# Altium PCB TelemetryBoard.PcbDoc
Units mil, origin at the board's own origin, x right, y up, seen from the top; angles counter-clockwise.
Board outline 2500 x 2500 mil, 2 copper layers (Top Layer, Bottom Layer); 11 components, 9 nets, 56 pads, 567 vias.
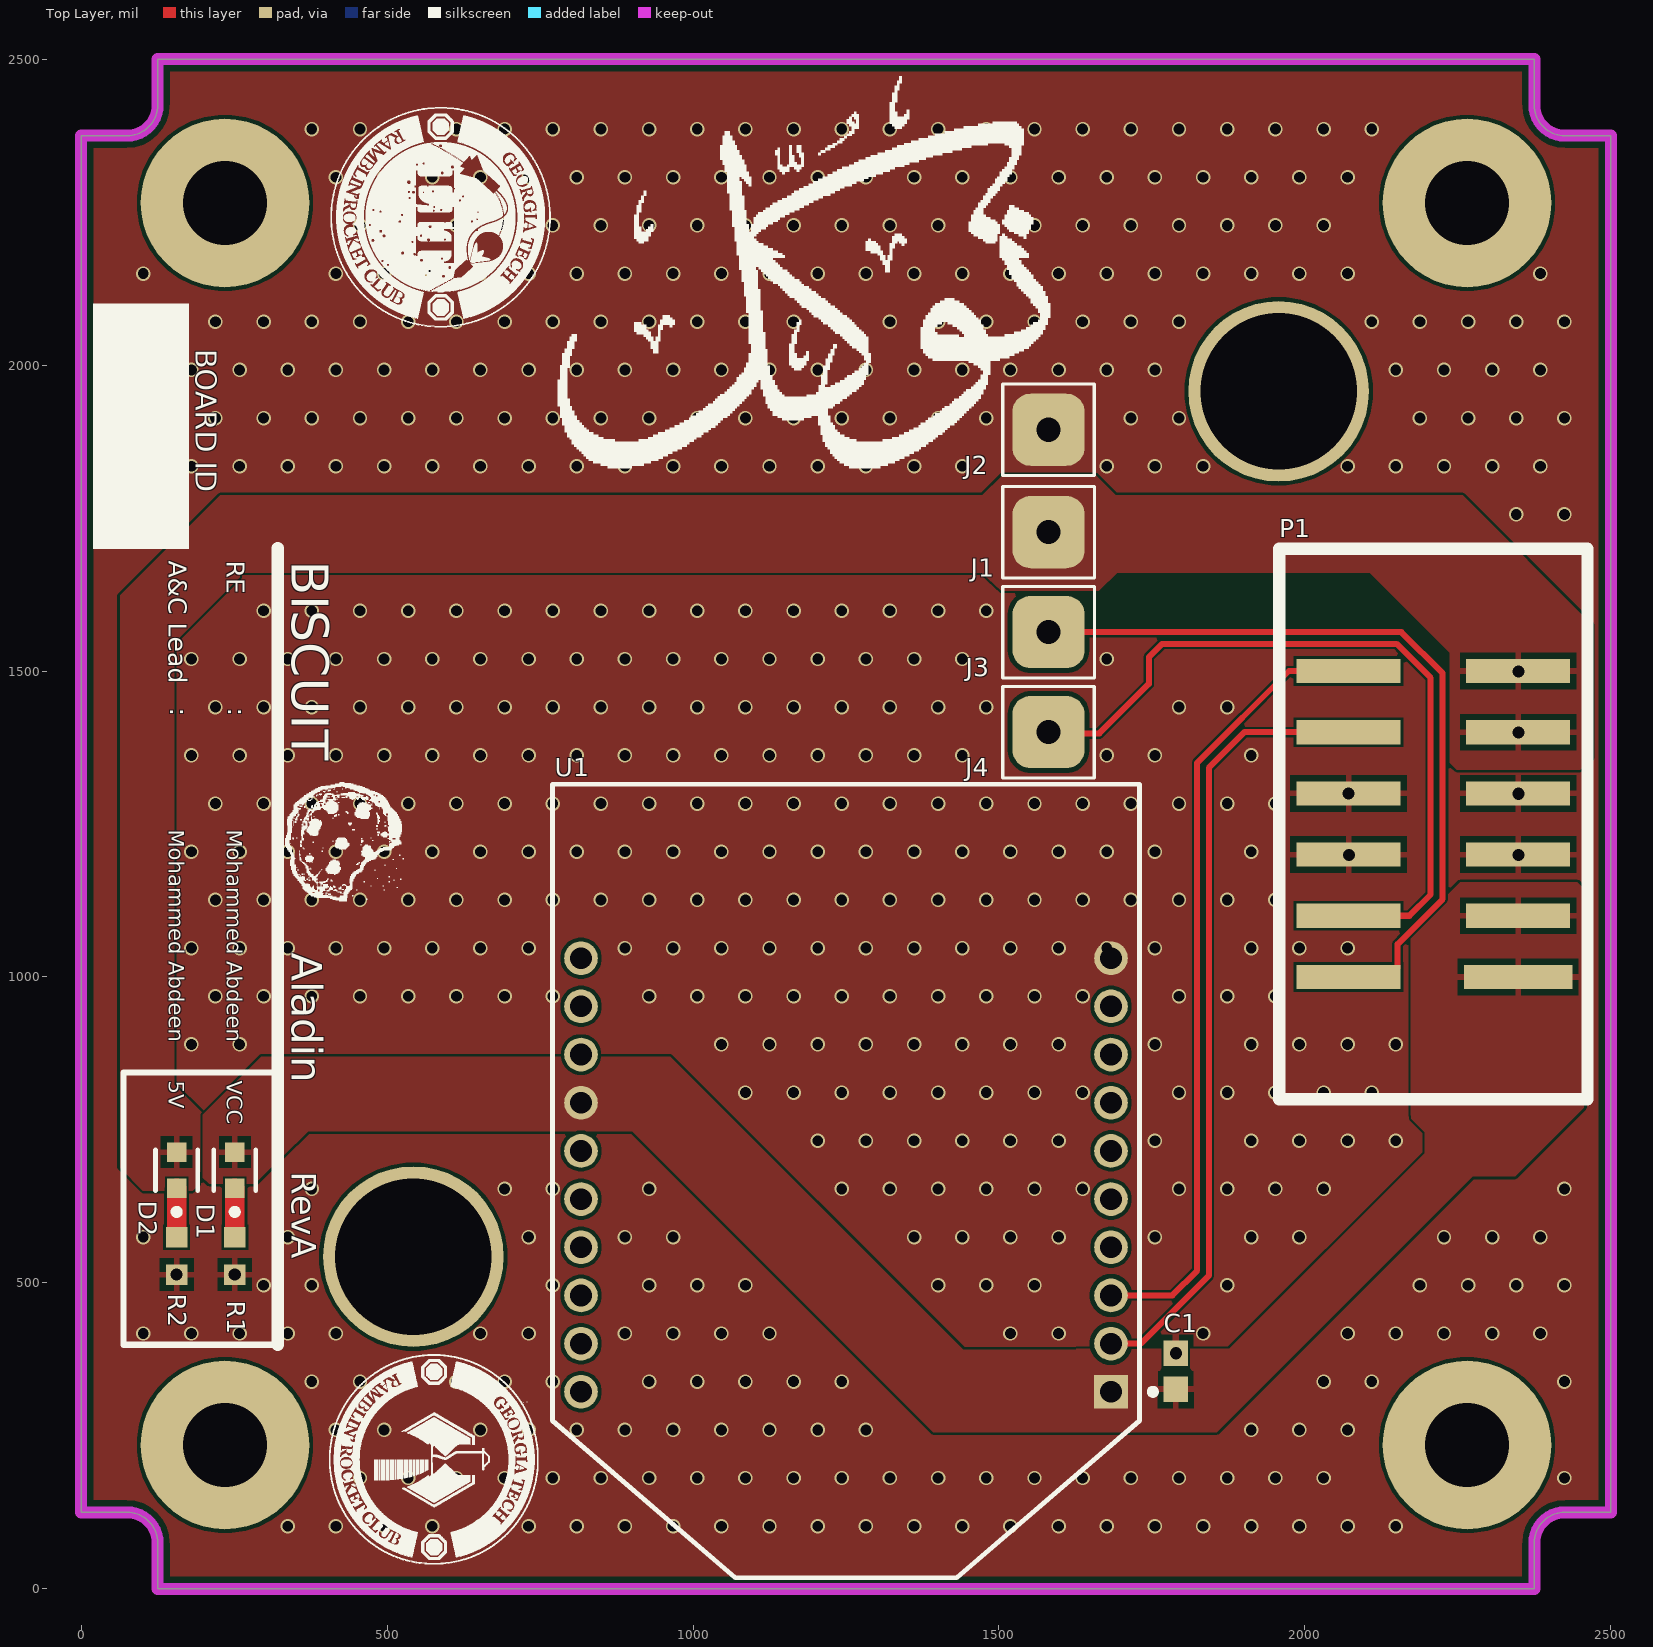
[diagram p0: Top Layer view]
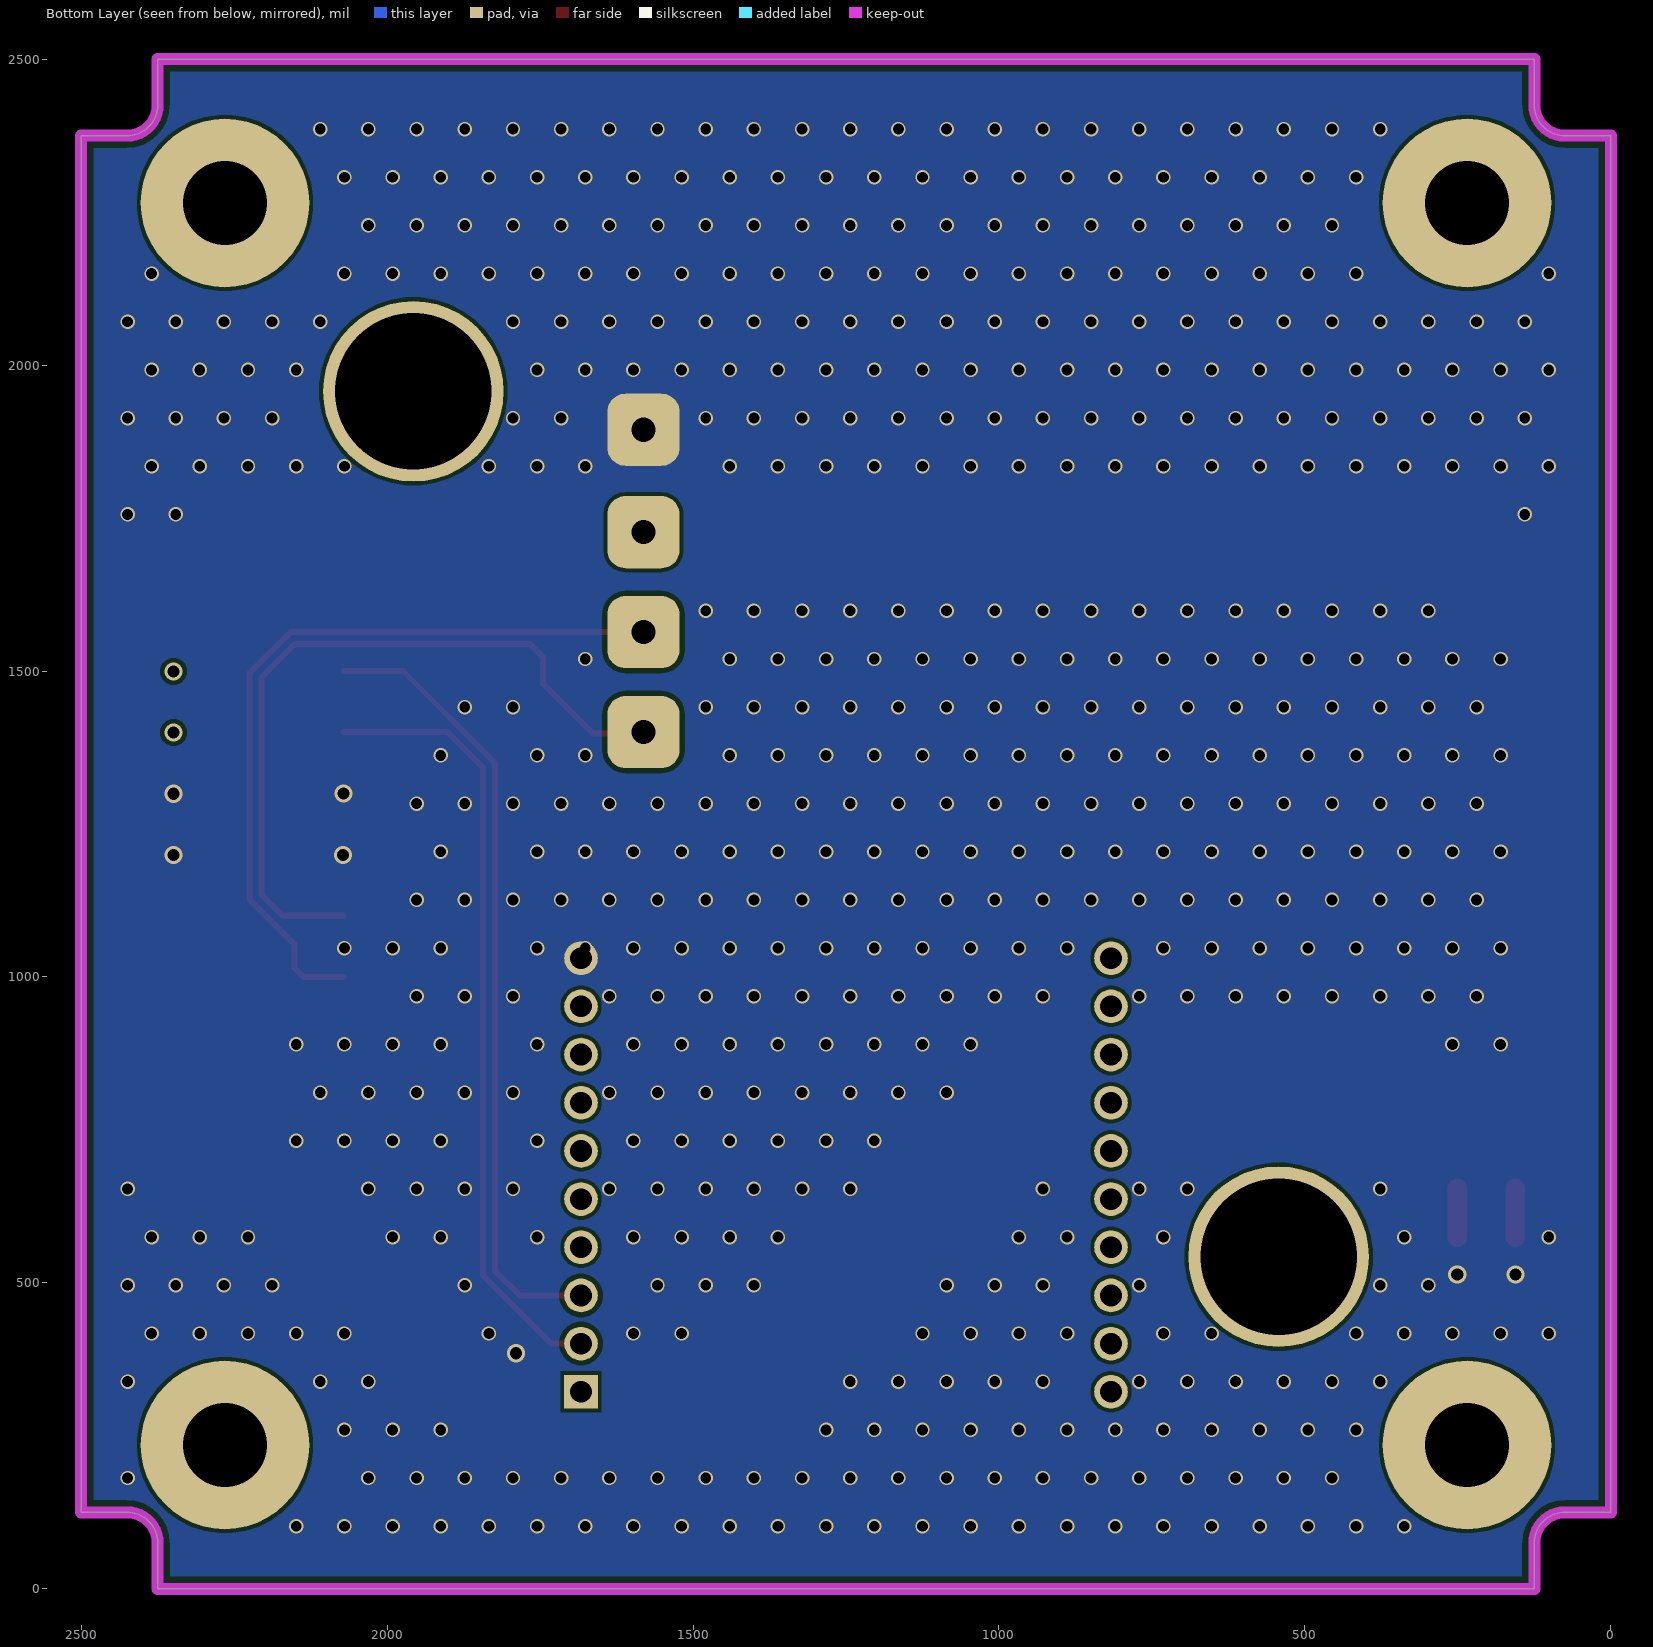
[diagram p1: Bottom Layer view, seen from below]

## Layer stack, top to bottom
Top Solder: solder mask 0.4, Solder Resist, Dk 3.5
Top Layer: signal copper 1.4
Dielectric 1: dielectric 12.6, FR-4, Dk 4.8
Bottom Layer: signal copper 1.4
Bottom Solder: solder mask 0.4, Solder Resist, Dk 3.5

## Board outline
125,0 125,75 ccw(c75,75) 75,125 0,125 0,2375 75,2375 ccw(c75,2425) 125,2425 125,2500 2375,2500 2375,2425 ccw(c2425,2425) 2425,2375 2500,2375 2500,125 2425,125 ccw(c2425,75) 2375,75 2375,0

## Design rules (kind name [scope] priority, off if disabled: settings)
Clearance Clearance_1 [InNetClass('Power') And OnMid vs OnMid] p1: gap=3.94 ignorepadtopadclearanceinfootprint=FALSE except(3.54: Arc-Arc Arc-Track Arc-Text Track-Track Track-Text Text-Text; 5.91: Arc-Hole Track-Hole SMDPad-SMDPad SMDPad-THPad THPad-THPad THPad-Via THPad-Fill THPad-Poly THPad-Region Via-Via Via-Fill Via-Poly Via-Region Text-Hole; 6: SMDPad-Hole; 7.87: THPad-Hole; 10: Hole-Hole; 11.02: Via-Hole; 11.81: Fill-Hole Poly-Hole Region-Hole) sourcerule=46 cellrowname=Power cellrowtype=2 cellcolname=All cellcoltype=0 innerlayers=TRUE
Clearance Clearance_2 [InNetClass('Power') And (ExistsOnLayer('Top Layer') Or ExistsOnLayer('Bottom Layer')) vs (ExistsOnLayer('Top Layer') Or ExistsOnLayer('Bottom Layer'))] p2: gap=3.94 ignorepadtopadclearanceinfootprint=FALSE except(3.54: Arc-Arc Arc-Track Arc-Text Track-Track Track-Text Text-Text; 5.91: Arc-Hole Track-Hole SMDPad-SMDPad SMDPad-THPad THPad-THPad THPad-Via THPad-Fill THPad-Poly THPad-Region Via-Via Via-Fill Via-Poly Via-Region Text-Hole; 6: SMDPad-Hole; 7.87: THPad-Hole; 10: Hole-Hole; 11.02: Via-Hole; 11.81: Fill-Hole Poly-Hole Region-Hole) sourcerule=46 cellrowname=Power cellrowtype=2 cellcolname=All cellcoltype=0 outerlayers=TRUE
Clearance Clearance_3 [InNetClass('Power')] p3: gap=10 ignorepadtopadclearanceinfootprint=FALSE sourcerule=46 cellrowname=Power cellrowtype=2 cellcolname=All cellcoltype=0
Clearance Clearance_1 [InNetClass('UART') And OnMid vs OnMid] p4: gap=7.87 ignorepadtopadclearanceinfootprint=FALSE except(3.94: Arc-Fill Arc-Poly Arc-Region Track-Fill Track-Poly Track-Region Fill-Text Poly-Text Region-Text; 5: SMDPad-SMDPad SMDPad-Fill SMDPad-Poly SMDPad-Region THPad-THPad Fill-Fill Fill-Poly Fill-Region Poly-Poly Poly-Region Region-Region; 6: SMDPad-Hole; 6.3: SMDPad-THPad; 9.06: Arc-Arc Arc-Track Arc-Text Track-Track Track-Text Text-Text; 10: Arc-Via Track-Via SMDPad-Via THPad-Via Via-Via Via-Text Hole-Hole; 11.02: Arc-Hole Track-Hole THPad-Hole Via-Hole Text-Hole; 11.81: Fill-Hole Poly-Hole Region-Hole) sourcerule=46 cellrowname=UART cellrowtype=2 cellcolname=All cellcoltype=0 innerlayers=TRUE
Clearance Clearance_2 [InNetClass('UART') And (ExistsOnLayer('Top Layer') Or ExistsOnLayer('Bottom Layer')) vs (ExistsOnLayer('Top Layer') Or ExistsOnLayer('Bottom Layer'))] p5: gap=7.87 ignorepadtopadclearanceinfootprint=FALSE except(3.94: Arc-Fill Arc-Poly Arc-Region Track-Fill Track-Poly Track-Region Fill-Text Poly-Text Region-Text; 5: SMDPad-SMDPad SMDPad-Fill SMDPad-Poly SMDPad-Region THPad-THPad Fill-Fill Fill-Poly Fill-Region Poly-Poly Poly-Region Region-Region; 6: SMDPad-Hole; 6.3: SMDPad-THPad; 9.06: Arc-Arc Arc-Track Arc-Text Track-Track Track-Text Text-Text; 10: Arc-Via Track-Via SMDPad-Via THPad-Via Via-Via Via-Text Hole-Hole; 11.02: Arc-Hole Track-Hole THPad-Hole Via-Hole Text-Hole; 11.81: Fill-Hole Poly-Hole Region-Hole) sourcerule=46 cellrowname=UART cellrowtype=2 cellcolname=All cellcoltype=0 outerlayers=TRUE
Clearance Clearance_3 [InNetClass('UART')] p6: gap=10 ignorepadtopadclearanceinfootprint=FALSE sourcerule=46 cellrowname=UART cellrowtype=2 cellcolname=All cellcoltype=0
Clearance Clearance_1 [OnMid vs OnMid] p7: gap=3.94 ignorepadtopadclearanceinfootprint=FALSE except(3.54: Arc-Arc Arc-Track Arc-Text Track-Track Track-Text Text-Text; 5.91: SMDPad-SMDPad SMDPad-THPad THPad-THPad THPad-Via THPad-Fill THPad-Poly THPad-Region Via-Via Via-Fill Via-Poly Via-Region; 6: SMDPad-Hole; 10: Hole-Hole; 11.02: Arc-Hole Track-Hole THPad-Hole Via-Hole Text-Hole; 11.81: Fill-Hole Poly-Hole Region-Hole) sourcerule=46 cellrowname=All cellrowtype=0 cellcolname=All cellcoltype=0 innerlayers=TRUE
Clearance Clearance_2 [(ExistsOnLayer('Top Layer') Or ExistsOnLayer('Bottom Layer')) vs (ExistsOnLayer('Top Layer') Or ExistsOnLayer('Bottom Layer'))] p8: gap=3.94 ignorepadtopadclearanceinfootprint=FALSE except(3.54: Arc-Arc Arc-Track Arc-Text Track-Track Track-Text Text-Text; 5.91: SMDPad-SMDPad SMDPad-THPad THPad-THPad THPad-Via THPad-Fill THPad-Poly THPad-Region Via-Via Via-Fill Via-Poly Via-Region; 6: SMDPad-Hole; 10: Hole-Hole; 11.02: Arc-Hole Track-Hole THPad-Hole Via-Hole Text-Hole; 11.81: Fill-Hole Poly-Hole Region-Hole) sourcerule=46 cellrowname=All cellrowtype=0 cellcolname=All cellcoltype=0 outerlayers=TRUE
Clearance [All] p9: gap=10 ignorepadtopadclearanceinfootprint=FALSE ismatrix=TRUE miname0=Power mitype0=2 miname1=UART mitype1=2
ComponentClearance [All] p1: gap=3.94 collisioncheckmode=3 verticalgap=10 showdistances=FALSE
HoleSize [All] p1: absolutevalues=TRUE maxlimit=354.33 minlimit=1 maxpercent=80.000 minpercent=20.000
HoleToHoleClearance [All] p1: gap=0 allowstackedmicrovias=TRUE
MinimumSolderMaskSliver [All] p1: minsoldermaskwidth=1.97
PlaneConnect [All] p1: pad.planeconnectstyle=Relief pad.reliefexpansion=20 pad.reliefentries=4 pad.reliefconductorwidth=10 pad.reliefairgap=10 via.planeconnectstyle=Direct via.reliefexpansion=20 via.reliefentries=4 via.reliefconductorwidth=10 via.reliefairgap=10
PolygonConnect PolygonConnectStyle_1 [InNetClass('Power')] p1: thpad.connectstyle=Direct thpad.reliefconductorwidth=10 thpad.reliefentries=4 thpad.polygonreliefangle="90 Angle" thpad.airgapwidth=10 smdpad.connectstyle=Relief smdpad.reliefconductorwidth=10 smdpad.reliefentries=4 smdpad.polygonreliefangle="90 Angle" smdpad.airgapwidth=10 via.connectstyle=Direct via.reliefconductorwidth=10 via.reliefentries=4 via.polygonreliefangle="90 Angle" via.airgapwidth=10
PolygonConnect [All] p2: thpad.connectstyle=Relief thpad.reliefconductorwidth=10 thpad.reliefentries=4 thpad.polygonreliefangle="90 Angle" thpad.airgapwidth=10 smdpad.connectstyle=Relief smdpad.reliefconductorwidth=10 smdpad.reliefentries=4 smdpad.polygonreliefangle="90 Angle" smdpad.airgapwidth=10 via.connectstyle=Direct via.reliefconductorwidth=10 via.reliefentries=4 via.polygonreliefangle="90 Angle" via.airgapwidth=10
RoutingVias RoutingViaStyle_1 [InNetClass('Power')] p1: holewidth=19.68 width=29.53 viastyle="Through Hole" minholewidth=19.68 minwidth=29.53 maxholewidth=19.68 maxwidth=29.53
RoutingVias [All] p2: holewidth=13.78 width=19.68 viastyle="Through Hole" minholewidth=13.78 minwidth=19.68 maxholewidth=13.78 maxwidth=19.68
SilkToSilkClearance [All] p1: silktosilkclearance=0
SilkToSolderMaskClearance [IsPad] p1: minsilkscreentomaskgap=3.94 clearancetoexposedcopper=TRUE
SolderMaskExpansion [All] p1: expansion=4 istentingtop=FALSE
UnRoutedNet [All] p1: checkbadconnections=TRUE
Width MaxMinWidth_1 [InNetClass('Power')] p1: maxlimit=31.5 minlimit=5.91 preferedwidth=9.84 minimp=50.000000 maximp=50.000000 favimp=50.000000
Width MaxMinWidth_2 [InNetClass('UART')] p2: maxlimit=39.37 minlimit=5.91 preferedwidth=9.84 minimp=50.000000 maximp=50.000000 favimp=50.000000
Width [All] p3: maxlimit=39.37 minlimit=10 preferedwidth=10 minimp=50.000000 maximp=50.000000 favimp=50.000000
22 further rules are at their usual default settings.

## Classes and differential pairs
net class UART: APRS_RX APRS_TX RX_XBee TX_XBee
net class Power: 3V3 5V GND
component class U_Telemetry: C1 D1 D2 J1 J2 J3 J4 R1 R2 U1
component class Connections: P1

## Components (designator, comment, footprint, x,y, rotation, side; value= is the part's Value field where it differs from the comment)
C1 "AGC0603X7R500-104KNP" 0603-CAP 1789,355.47 r270 top
D1 "LTST-C190KGKT" FP-LTST-C190KGKT-MFG 251,684 r90 top
D2 "LTST-C190KGKT" FP-LTST-C190KGKT-MFG 156,684 r90 top
J1 "Solder Pad" Solder_Pad 1581,1727 r0 top
J2 "Solder Pad" Solder_Pad 1580.98,1894.33 r0 top
J3 "Solder Pad" Solder_Pad 1581,1563.62 r0 top
J4 "Solder Pad" Solder_Pad 1580.98,1400.24 r0 top
P1 "HTST-106-01-L-DV-P-TR" HTST-106-01-L-DV-P-TR 2210,1250 r90 top
R1 "ERJ-3EKF2670V" 0603-RES 251,544 r270 top
R2 "ERJ-3EKF2670V" 0603-RES 156,544 r270 top
U1 "XBP9B-XCST-001" XBee 1250,666.49 r180 top

## Footprints (in the part's own frame and the unit in brackets; to place one, negate y for a bottom-side part, rotate by r counter-clockwise, add the part's x,y. Pads: shape width x height; smd on the part's side, far side on the other; paste and mask are expansions set on the pad)
0603-CAP [mm]
  rect 1.05x1 smd: 1(-0.75,0) 2(0.75,0)
  body extent -0.88,-0.48 0.87,0.47, height 0.95
0603-RES [mm]
  rect 0.85x0.9 smd: 1(-0.775,0) 2(0.775,0)
  body extent -0.85,-0.45 0.85,0.45, height 0.55
FP-LTST-C190KGKT-MFG [mm]
  rect 0.8x0.8 smd paste+0 mask+0: 1(-0.75,0) 2(0.75,0)
  silkscreen extent -1.85,-0.87 0.85,0.87, body extent -1.25,-0.55 1.25,0.55, height 0.25
HTST-106-01-L-DV-P-TR [mm]
  rect 1x4.5 smd mask+0.05: 1(-6.35,-3.52)
  rect 1x4.32 smd mask+0.05: 2(-3.81,-3.52) 3(-1.27,-3.52) 4(1.27,-3.52) 5(3.81,-3.52) 6(6.35,-3.52) 7(6.35,3.52) 8(3.81,3.52) 9(1.27,3.52) 10(-1.27,3.52) 11(-3.81,3.52) 12(-6.35,3.52)
  silkscreen extent -11.43,-6.4 11.43,6.4, body extent -11.43,-5.59 11.43,5.59, height 11.46
Solder_Pad [mm]
  rrect50% 3x3 hole 0.5 mask+0.05: 1(0,0)
  round 1.1 hole 1 mask+0.05: 1(0,0)
  silkscreen extent -1.9,-1.9 1.9,1.9
XBee [mm]
  rect 1.4x1.4 hole 0.9 paste-2539.97 mask+0: 1(-11,8.75)
  round 1.4 hole 0.9 paste-2539.97 mask+0: 2(-11,6.75) 3(-11,4.75) 4(-11,2.75) 5(-11,0.75) 6(-11,-1.25) 7(-11,-3.25) 8(-11,-5.25) 9(-11,-7.25) 10(-11,-9.25) 11(11,-9.25) 12(11,-7.25) 13(11,-5.25) 14(11,-3.25) 15(11,-1.25) 16(11,0.75) 17(11,2.75) 18(11,4.75) 19(11,6.75) 20(11,8.75)
  silkscreen extent -12.87,-16.47 12.19,16.47, body extent -12.29,-16.57 12.29,16.57, height 0.25

## Part data
C1: "100nF ±10% 50V Ceramic Capacitor X7R 0603 (1608 Metric)", Manufacturer=Venkel, Part number=AGC0603X7R500-104KNP
D1 D2: library part LED-0603-Green_, "Green 571nm LED Indication - Discrete 2V 0603 (1608 Metric)"
J1 J2 J3 J4: library part Solder_Pad, "Use for external and high current connections (cheaper than castellated holes)"
P1: library part BoardToBoard_Bottom, "Connector Header Through Hole 12 position 0.100\" (2.54mm)"
R1 R2: library part RES-0603-267R, "267 Ohms ±1% 0.1W, 1/10W Chip Resistor 0603 (1608 Metric) Automotive AEC-Q200 Thick Film", Manufacturer="Panasonic Electronic Components", Part number=ERJ-3EKF2670V
U1: library part XBee, "General ISM < 1GHz Transceiver Module 900MHz Antenna Not Included, RP-SMA Through Hole"

## Free pads (board coordinates)
  round 275.59 hole 137.8 mask+1.97: ""(235,235) ""(235,2265) ""(2265,235) ""(2265,2265)
  round 295.28 hole 256 mask+1.97: ""(542.89,542.89) ""(1957.11,1957.11)

## Via types
v1: diameter 23.62, hole 17.72, Top Layer to Bottom Layer, tented both sides, 558 vias
v2: diameter 29.53, hole 19.68, Top Layer to Bottom Layer, tented both sides, 9 vias

## Nets (pads, with @x,y where several pads share a name; then routed paths per layer and width w, separated by ;. In a path a pad name is that pad's centre, name@x,y a point inside that pad or via, vN(x,y) a via of type N, cw(c..) or ccw(c..) an arc to the next point about the centre after c; other vN are vias at no path point)
3V3: C1.2 D1.2 P1.1 P1.2 U1.1 U1.14
5V: D2.2 J1.1 P1.5 P1.6
  other v2: 2349.06,1399.44 2349.06,1499.44
APRS_RX: J4.1 P1.11 | length 1237.2
  Top Layer w10: J4.1@1580.98,1400.24 1583.22,1398 1664,1398 1745,1479 1745,1522.66 1766.79,1544.46 2149.89,1544.46 2205.46,1488.89 2205.46,1134.79 2170.67,1100 P1.11
APRS_TX: J3.1 P1.12 | length 1270.1
  Top Layer w10: J3.1@1581,1563.62 2157.67,1563.62 2225,1496.3 2225,1127.39 2151.46,1053.84 2151.46,1014.69 2136.77,1000 P1.12
GND: C1.1 J2.1 P1.3 P1.4 P1.9 P1.10 R1.2 R2.2 U1.10
  other v1: 337.58,102.36 416.32,102.36 495.06,102.36 573.8,102.36 652.54,102.36 731.28,102.36 810.02,102.36 888.76,102.36 967.51,102.36 1046.25,102.36 1124.99,102.36 1203.73,102.36 1282.47,102.36 1361.21,102.36 1439.95,102.36 1518.69,102.36 1597.43,102.36 1676.17,102.36 1754.91,102.36 1833.65,102.36 1912.39,102.36 1991.13,102.36 2069.87,102.36 2148.61,102.36 455.69,181.1 534.43,181.1 613.17,181.1 691.91,181.1 770.65,181.1 849.39,181.1 928.13,181.1 1006.88,181.1 1085.62,181.1 1164.36,181.1 1243.1,181.1 1321.84,181.1 1400.58,181.1 1479.32,181.1 1558.06,181.1 1636.8,181.1 1715.54,181.1 1794.28,181.1 1873.02,181.1 1951.76,181.1 2030.5,181.1 2424.2,181.1 416.32,259.84 495.06,259.84 573.8,259.84 652.54,259.84 731.28,259.84 810.02,259.84 888.76,259.84 967.51,259.84 1046.25,259.84 1124.99,259.84 1203.73,259.84 1282.47,259.84 1912.39,259.84 1991.13,259.84 2069.87,259.84 376.95,338.58 455.69,338.58 534.43,338.58 613.17,338.58 691.91,338.58 770.65,338.58 928.13,338.58 1006.88,338.58 1085.62,338.58 1164.36,338.58 1243.1,338.58 2030.5,338.58 2109.24,338.58 2424.2,338.58 101.36,417.32 180.1,417.32 258.84,417.32 337.58,417.32 416.32,417.32 652.54,417.32 731.28,417.32 888.76,417.32 967.51,417.32 1046.25,417.32 1124.99,417.32 1518.69,417.32 1597.43,417.32 1833.65,417.32 2069.87,417.32 2148.61,417.32 2227.35,417.32 2306.09,417.32 2384.83,417.32 298.21,496.06 376.95,496.06 770.65,496.06 928.13,496.06 1006.88,496.06 1085.62,496.06 1400.58,496.06 1479.32,496.06 1558.06,496.06 1873.02,496.06 2187.98,496.06 2266.72,496.06 2345.46,496.06 2424.2,496.06 101.36,574.8 337.58,574.8 731.28,574.8 888.76,574.8 967.51,574.8 1361.21,574.8 1439.95,574.8 1518.69,574.8 1597.43,574.8 1754.91,574.8 1912.39,574.8 1991.13,574.8 2227.35,574.8 2306.09,574.8 2384.83,574.8 376.95,653.54 691.91,653.54 770.65,653.54 928.13,653.54 1243.1,653.54 1321.84,653.54 1400.58,653.54 1479.32,653.54 1558.06,653.54 1636.8,653.54 1794.28,653.54 1873.02,653.54 1951.76,653.54 2030.5,653.54 2424.2,653.54 1203.73,732.28 1282.47,732.28 1361.21,732.28 1439.95,732.28 1518.69,732.28 1597.43,732.28 1754.91,732.28 1912.39,732.28 1991.13,732.28 2069.87,732.28 2148.61,732.28 1085.62,811.02 1164.36,811.02 1243.1,811.02 1321.84,811.02 1400.58,811.02 1479.32,811.02 1558.06,811.02 1636.8,811.02 1794.28,811.02 1873.02,811.02 1951.76,811.02 2030.5,811.02 2109.24,811.02 180.1,889.76 258.84,889.76 1046.25,889.76 1124.99,889.76 1203.73,889.76 1282.47,889.76 1361.21,889.76 1439.95,889.76 1518.69,889.76 1597.43,889.76 1754.91,889.76 1912.39,889.76 1991.13,889.76 2069.87,889.76 2148.61,889.76 219.47,968.51 298.21,968.51 376.95,968.51 455.69,968.51 534.43,968.51 613.17,968.51 691.91,968.51 770.65,968.51 928.13,968.51 1006.88,968.51 1085.62,968.51 1164.36,968.51 1243.1,968.51 1321.84,968.51 1400.58,968.51 1479.32,968.51 1558.06,968.51 1636.8,968.51 1794.28,968.51 1873.02,968.51 1951.76,968.51 180.1,1047.25 258.84,1047.25 337.58,1047.25 416.32,1047.25 495.06,1047.25 573.8,1047.25 652.54,1047.25 731.28,1047.25 888.76,1047.25 967.51,1047.25 1046.25,1047.25 1124.99,1047.25 1203.73,1047.25 1282.47,1047.25 1361.21,1047.25 1439.95,1047.25 1518.69,1047.25 1597.43,1047.25 1676.17,1047.25 1754.91,1047.25 1912.39,1047.25 1991.13,1047.25 2069.87,1047.25 219.47,1125.99 298.21,1125.99 376.95,1125.99 455.69,1125.99 534.43,1125.99 613.17,1125.99 691.91,1125.99 770.65,1125.99 849.39,1125.99 928.13,1125.99 1006.88,1125.99 1085.62,1125.99 1164.36,1125.99 1243.1,1125.99 1321.84,1125.99 1400.58,1125.99 1479.32,1125.99 1558.06,1125.99 1636.8,1125.99 1715.54,1125.99 1794.28,1125.99 1873.02,1125.99 1951.76,1125.99 180.1,1204.73 258.84,1204.73 337.58,1204.73 416.32,1204.73 495.06,1204.73 573.8,1204.73 652.54,1204.73 731.28,1204.73 810.02,1204.73 888.76,1204.73 967.51,1204.73 1046.25,1204.73 1124.99,1204.73 1203.73,1204.73 1282.47,1204.73 1361.21,1204.73 1439.95,1204.73 1518.69,1204.73 1597.43,1204.73 1676.17,1204.73 1754.91,1204.73 1912.39,1204.73 219.47,1283.47 298.21,1283.47 376.95,1283.47 455.69,1283.47 534.43,1283.47 613.17,1283.47 691.91,1283.47 770.65,1283.47 849.39,1283.47 928.13,1283.47 1006.88,1283.47 1085.62,1283.47 1164.36,1283.47 1243.1,1283.47 1321.84,1283.47 1400.58,1283.47 1479.32,1283.47 1558.06,1283.47 1636.8,1283.47 1715.54,1283.47 1794.28,1283.47 1873.02,1283.47 1951.76,1283.47 180.1,1362.21 258.84,1362.21 337.58,1362.21 416.32,1362.21 495.06,1362.21 573.8,1362.21 652.54,1362.21 731.28,1362.21 810.02,1362.21 888.76,1362.21 967.51,1362.21 1046.25,1362.21 1124.99,1362.21 1203.73,1362.21 1282.47,1362.21 1361.21,1362.21 1439.95,1362.21 1676.17,1362.21 1754.91,1362.21 1912.39,1362.21 219.47,1440.95 298.21,1440.95 376.95,1440.95 455.69,1440.95 534.43,1440.95 613.17,1440.95 691.91,1440.95 770.65,1440.95 849.39,1440.95 928.13,1440.95 1006.88,1440.95 1085.62,1440.95 1164.36,1440.95 1243.1,1440.95 1321.84,1440.95 1400.58,1440.95 1479.32,1440.95 1794.28,1440.95 1873.02,1440.95 180.1,1519.69 258.84,1519.69 337.58,1519.69 416.32,1519.69 495.06,1519.69 573.8,1519.69 652.54,1519.69 731.28,1519.69 810.02,1519.69 888.76,1519.69 967.51,1519.69 1046.25,1519.69 1124.99,1519.69 1203.73,1519.69 1282.47,1519.69 1361.21,1519.69 1439.95,1519.69 1676.17,1519.69 298.21,1598.43 376.95,1598.43 455.69,1598.43 534.43,1598.43 613.17,1598.43 691.91,1598.43 770.65,1598.43 849.39,1598.43 928.13,1598.43 1006.88,1598.43 1085.62,1598.43 1164.36,1598.43 1243.1,1598.43 1321.84,1598.43 1400.58,1598.43 1479.32,1598.43 140.73,1755.91 2345.46,1755.91 2424.2,1755.91 101.36,1834.65 180.1,1834.65 258.84,1834.65 337.58,1834.65 416.32,1834.65 495.06,1834.65 573.8,1834.65 652.54,1834.65 731.28,1834.65 810.02,1834.65 888.76,1834.65 967.51,1834.65 1046.25,1834.65 1124.99,1834.65 1203.73,1834.65 1282.47,1834.65 1361.21,1834.65 1439.95,1834.65 1676.17,1834.65 1754.91,1834.65 1833.65,1834.65 2069.87,1834.65 2148.61,1834.65 2227.35,1834.65 2306.09,1834.65 2384.83,1834.65 140.73,1913.39 219.47,1913.39 298.21,1913.39 376.95,1913.39 455.69,1913.39 534.43,1913.39 613.17,1913.39 691.91,1913.39 770.65,1913.39 849.39,1913.39 928.13,1913.39 1006.88,1913.39 1085.62,1913.39 1164.36,1913.39 1243.1,1913.39 1321.84,1913.39 1400.58,1913.39 1479.32,1913.39 1715.54,1913.39 1794.28,1913.39 2187.98,1913.39 2266.72,1913.39 2345.46,1913.39 2424.2,1913.39 101.36,1992.13 180.1,1992.13 258.84,1992.13 337.58,1992.13 416.32,1992.13 495.06,1992.13 573.8,1992.13 652.54,1992.13 731.28,1992.13 810.02,1992.13 888.76,1992.13 967.51,1992.13 1046.25,1992.13 1124.99,1992.13 1203.73,1992.13 1282.47,1992.13 1361.21,1992.13 1439.95,1992.13 1518.69,1992.13 1597.43,1992.13 1676.17,1992.13 1754.91,1992.13 2148.61,1992.13 2227.35,1992.13 2306.09,1992.13 2384.83,1992.13 140.73,2070.87 219.47,2070.87 298.21,2070.87 376.95,2070.87 455.69,2070.87 534.43,2070.87 613.17,2070.87 691.91,2070.87 770.65,2070.87 849.39,2070.87 928.13,2070.87 1006.88,2070.87 1085.62,2070.87 1164.36,2070.87 1243.1,2070.87 1321.84,2070.87 1400.58,2070.87 1479.32,2070.87 1558.06,2070.87 1636.8,2070.87 1715.54,2070.87 1794.28,2070.87 2109.24,2070.87 2187.98,2070.87 2266.72,2070.87 2345.46,2070.87 2424.2,2070.87 101.36,2149.61 416.32,2149.61 495.06,2149.61 573.8,2149.61 652.54,2149.61 731.28,2149.61 810.02,2149.61 888.76,2149.61 967.51,2149.61 1046.25,2149.61 1124.99,2149.61 1203.73,2149.61 1282.47,2149.61 1361.21,2149.61 1439.95,2149.61 1518.69,2149.61 1597.43,2149.61 1676.17,2149.61 1754.91,2149.61 1833.65,2149.61 1912.39,2149.61 1991.13,2149.61 2069.87,2149.61 2384.83,2149.61 455.69,2228.35 534.43,2228.35 613.17,2228.35 691.91,2228.35 770.65,2228.35 849.39,2228.35 928.13,2228.35 1006.88,2228.35 1085.62,2228.35 1164.36,2228.35 1243.1,2228.35 1321.84,2228.35 1400.58,2228.35 1479.32,2228.35 1558.06,2228.35 1636.8,2228.35 1715.54,2228.35 1794.28,2228.35 1873.02,2228.35 1951.76,2228.35 2030.5,2228.35 416.32,2307.09 495.06,2307.09 573.8,2307.09 652.54,2307.09 731.28,2307.09 810.02,2307.09 888.76,2307.09 967.51,2307.09 1046.25,2307.09 1124.99,2307.09 1203.73,2307.09 1282.47,2307.09 1361.21,2307.09 1439.95,2307.09 1518.69,2307.09 1597.43,2307.09 1676.17,2307.09 1754.91,2307.09 1833.65,2307.09 1912.39,2307.09 1991.13,2307.09 2069.87,2307.09 376.95,2385.83 455.69,2385.83 534.43,2385.83 613.17,2385.83 691.91,2385.83 770.65,2385.83 849.39,2385.83 928.13,2385.83 1006.88,2385.83 1085.62,2385.83 1164.36,2385.83 1243.1,2385.83 1321.84,2385.83 1400.58,2385.83 1479.32,2385.83 1558.06,2385.83 1636.8,2385.83 1715.54,2385.83 1794.28,2385.83 1873.02,2385.83 1951.76,2385.83 2030.5,2385.83 2109.24,2385.83
  other v2: 1789,385 156,513.49 251,513.49 2071.89,1199.44 2349.06,1199.44 2349.06,1299.44 2071.42,1300
NetD1_1: D1.1 R1.1 | length 80
  Top Layer w31.5: R1.1 D1.1
NetD2_1: D2.1 R2.1 | length 80
  Top Layer w31.5: R2.1 D2.1
RX_XBee: P1.7 U1.3 | length 1297.3
  Top Layer w9.84: U1.3 1783.48,479.48 1824,520 1824,1350 1974,1500 P1.7
TX_XBee: P1.8 U1.2 | length 1288.5
  Top Layer w9.84: U1.2 1731.74,400.74 1842.9,511.9 1842.9,1341.9 1901,1400 P1.8
pads on no net: U1.4 U1.5 U1.6 U1.7 U1.8 U1.9 U1.11 U1.12 U1.13 U1.15 U1.16 U1.17 U1.18 U1.19 U1.20

## Polygon pours and split planes (outlines as drawn)
GND on Top Layer "NONET_L01_P-001" (solid, remove dead copper, pour order 7): 2,2377 cw(c4.41,2374.59) 4.41,2378 67,2378 ccw(c67,2440.77) 111.38,2396.38 122,2407 ccw(c117.17,2411.83) 124,2411.83 124,2502 2372,2502 cw(c2362.34,2492.34) 2376,2492.34 2376,2417 ccw(c2390.49,2417) 2380.24,2406.76 2408,2379 ccw(c2415.24,2386.24) 2415.24,2376 2498,2376 2498,132.41 cw(c2494.59,132.41) 2497,130 cw(c2487.34,139.66) 2487.34,126 2411,126 ccw(c2411,123.59) 2409.29,125.29 2378,94 ccw(c2390.07,81.93) 2373,81.93 2373,10 2372.07,9.07 cw(c2355,26.14) 2355,2 143.31,2 cw(c143.31,29.31) 124,10 cw(c133.66,19.66) 120,19.66 120,95 96.07,118.93 ccw(c79,101.86) 79,126 12.07,126 cw(c12.07,143.07) 0,131 cw(c9.66,140.66) -4,140.66 -4,2364.93 cw(c13.07,2364.93) 1,2377
3V3 on Top Layer "NONET_L01_P-001" (solid, remove dead copper, pour order 0): 349.75,727.75 350.75,727.75 371,748 901,748 1393,256 1856,256 2274,674 2344,674 2456,786 2456,1144 2445,1155 2254,1155 2173,1074 2173,778 2174,768 2196,746 2196,712 1876,392 1625,392 1626,391 1442,391 963,870 294,870 199,775 199,672 209,662 284,662
5V on Top Layer "NONET_L01_P-001" (solid, pour order 1): 1693,1661 1663,1631 1504,1631 1472,1661 259,1661 259,1653 152,1546 152,824 200,776 200,687 191,678 191,660 182,651 101,651 63.47,688.53 63.47,1623.47 227,1787 1473,1787 1506,1820 1658,1820 1691,1787 2258,1787 2469,1576 2469,1358 2450,1339 2248,1339 2237,1350 2237,1530 2106,1661
no net on Top Overlay "NONET_L01_P-001" (solid): 20,2100 20,1700 176,1700 176,2100
GND on Bottom Layer "NONET_L01_P-001" (solid, remove dead copper, pour order 8): 7,2375 cw(c9.41,2372.59) 9.41,2376 72,2376 ccw(c72,2438.77) 116.38,2394.38 127,2405 ccw(c122.17,2409.83) 129,2409.83 129,2500 2377,2500 cw(c2367.34,2490.34) 2381,2490.34 2381,2415 ccw(c2395.49,2415) 2385.24,2404.76 2413,2377 ccw(c2420.24,2384.24) 2420.24,2374 2503,2374 2503,130.41 cw(c2499.59,130.41) 2502,128 cw(c2492.34,137.66) 2492.34,124 2416,124 ccw(c2416,121.59) 2414.29,123.29 2383,92 ccw(c2395.07,79.93) 2378,79.93 2378,8 2377.07,7.07 cw(c2360,24.14) 2360,0 148.31,0 cw(c148.31,27.31) 129,8 cw(c138.66,17.66) 125,17.66 125,93 101.07,116.93 ccw(c84,99.86) 84,124 17.07,124 cw(c17.07,141.07) 5,129 cw(c14.66,138.66) 1,138.66 1,2362.93 cw(c18.07,2362.93) 6,2375

## Keep-outs
Keep-Out Layer:
  the board outline again, w19.68

## Silkscreen, mask and mechanical layers (free items; w line width, h text height)
Top Overlay:
  drawing of 178 lines, arcs and shapes, not listed
  text "BOARD ID" at 187,2026 h34 r270
  text "A&C Lead" at 143,1680 h30 r270
  text "RE" at 238,1680 h30 r270
  text "BISCUIT" at 344,1680 h60 r270
  text ":" at 167,1426 h30 r90
  text ":" at 262,1426 h30 r90
  text "Mohammed Abdeen" at 143,1241 h25 r270
  text "Mohammed Abdeen" at 238,1241 h25 r270
  text "Aladin" at 344,1039.81 h50 r270
  text "5V" at 143,830 h25 r270
  text "VCC" at 238,830 h25 r270
  text "RevA" at 344,682 h40 r270